# Allegro board ADRV9371-N_PCBZ_Layout_RevB.brd
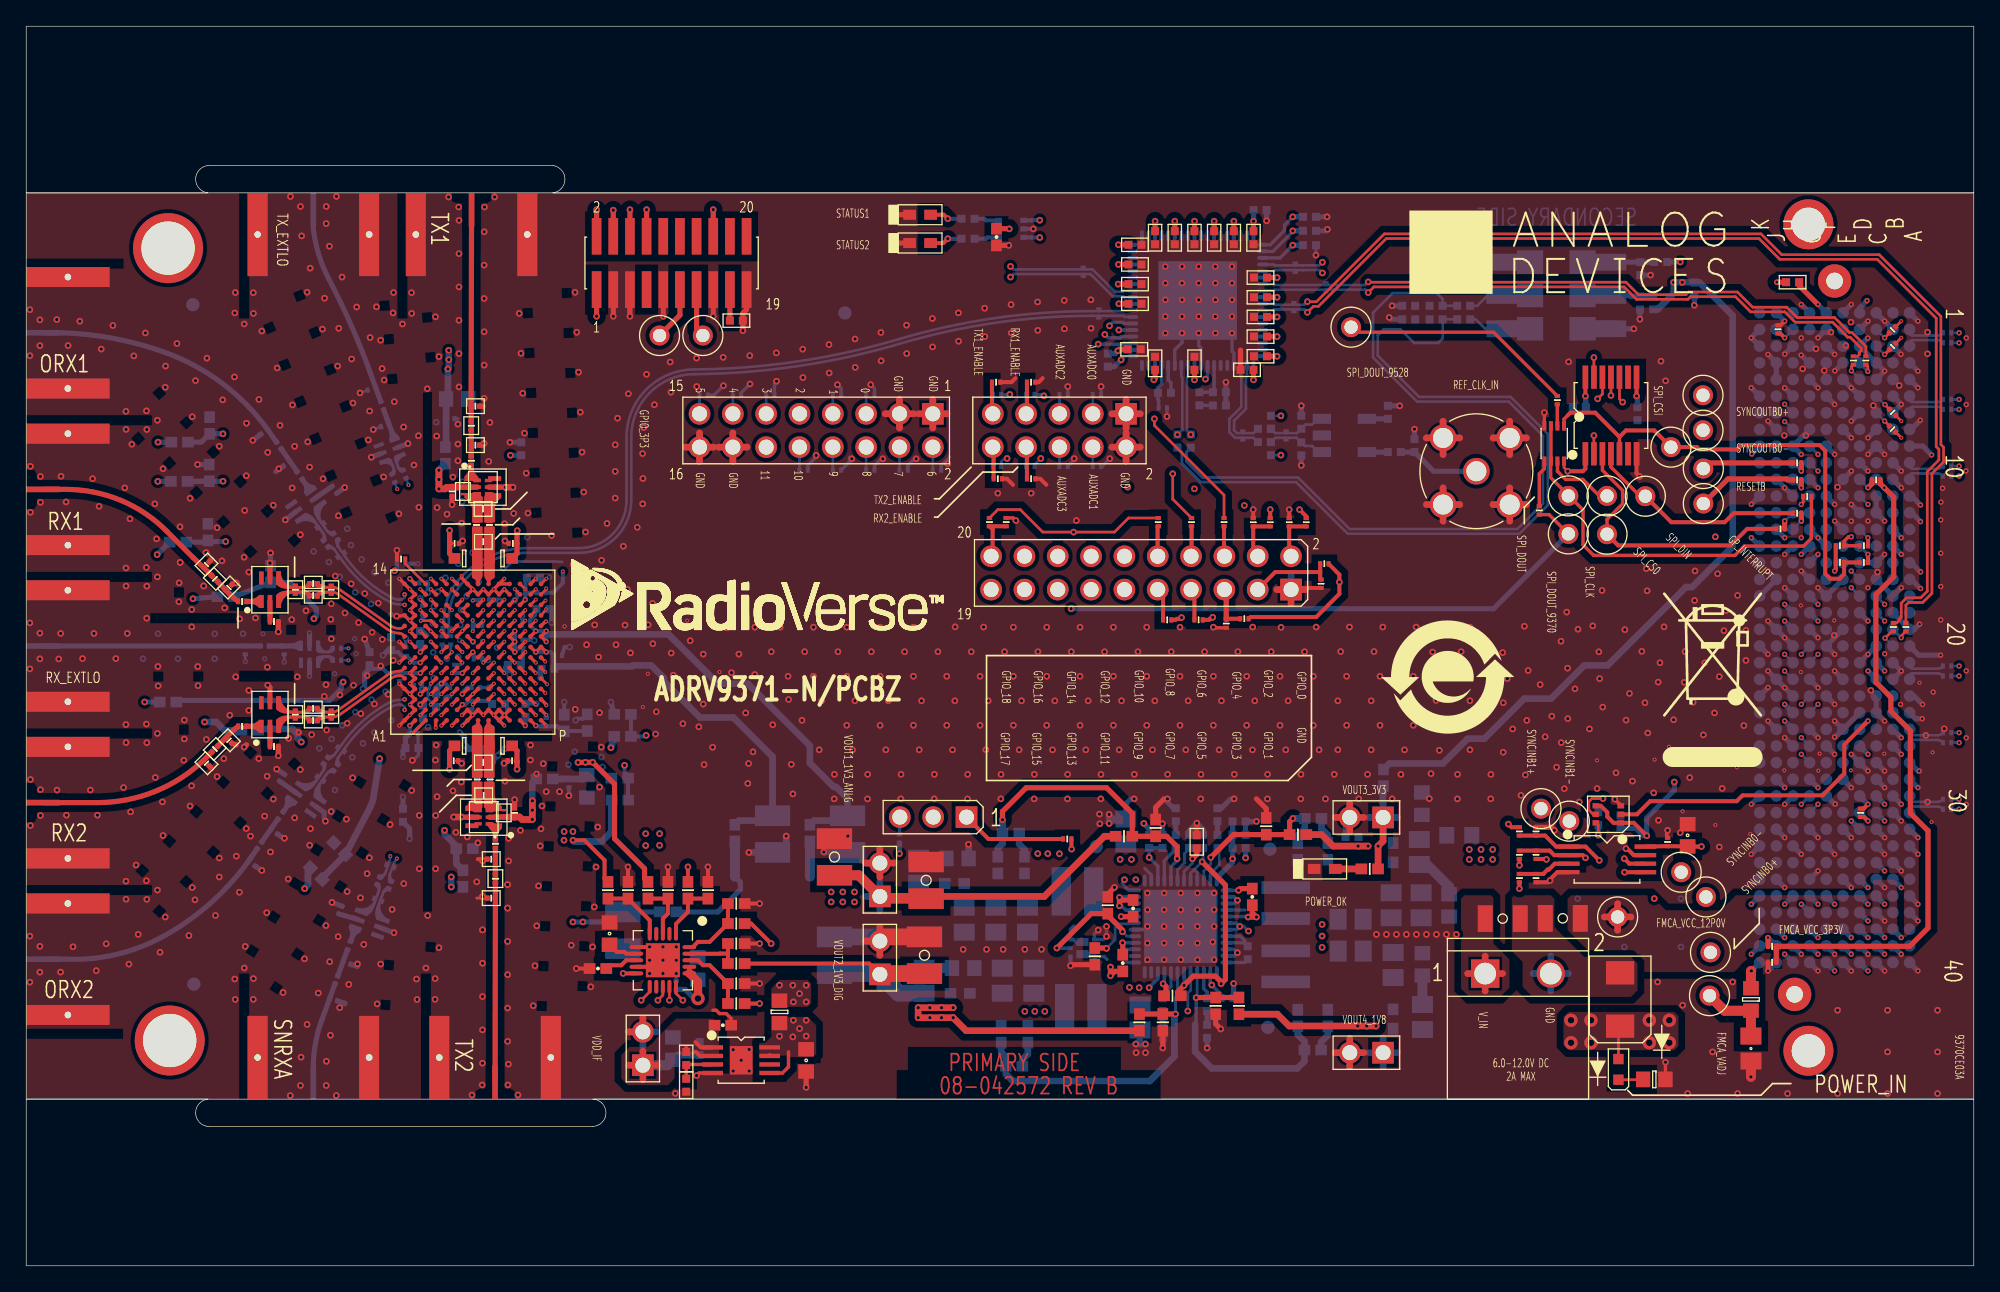
[diagram p0: board, top side]
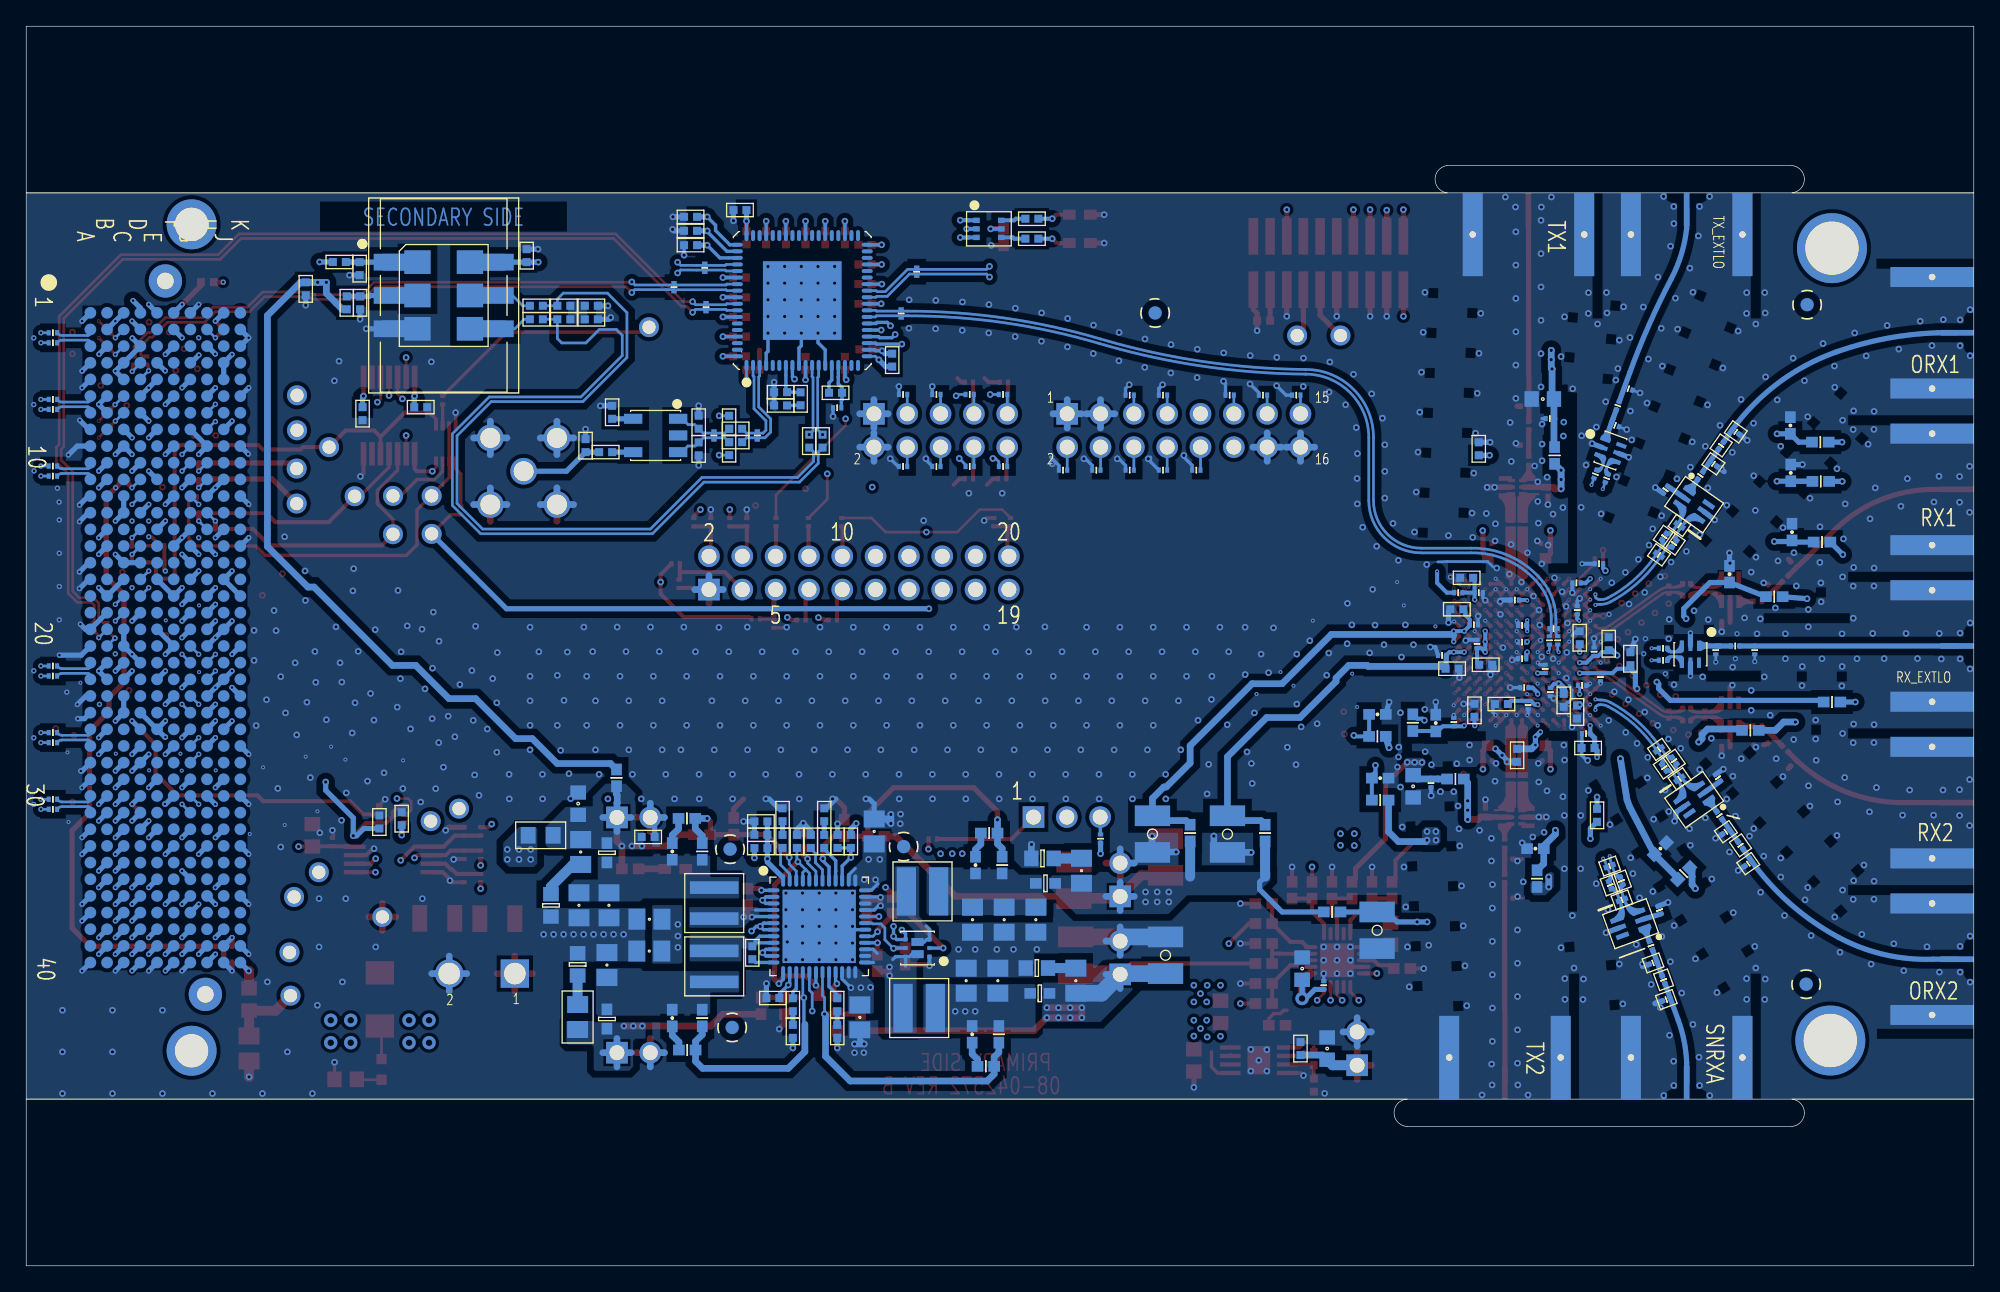
[diagram p1: board, bottom side, seen from below]

Outline 148.44 x 94.49 mm; copper layers: TOP, L2_GND, L3_PWR, L4_GND, L5_SIG, L6_GND, L7_SIG, L8_SIG, L9_GND, L10_SIG, L11_GND, L12_PWR, L13_GND, BOTTOM. Coordinates in mm from the lower left corner of the outline.
Outline path: 0,81.79 0,94.49 148.44,94.49 148.44,81.79 ; 0,81.79 0,12.7 ; 0,81.79 13.85,81.79 arc(12.91,82.83) 13.85,83.87 40.14,83.87 arc(41.06,82.83) 40.14,81.79 148.44,81.79 ; 0,81.79 148.44,81.79 ; 0,12.7 0,0 148.44,0 148.44,12.7 ; 0,12.7 148.44,12.7 ; 0,12.7 13.85,12.7 arc(12.91,11.66) 13.85,10.62 43.19,10.62 arc(44.19,11.66) 43.19,12.7 148.44,12.7 ; 148.44,12.7 148.44,81.79

## Design rules (mm)
net group DIFFPAIR0: nets SERDOUT0+ SERDOUT0-
net group DIFFPAIR1: nets SERDOUT1+ SERDOUT1-
net group DIFFPAIR2: nets SERDOUT3+ SERDOUT3-
net group DIFFPAIR3: nets SERDIN3+ SERDIN3-
net group DIFFPAIR4: nets SERDIN0+ SERDIN0-
net group DIFFPAIR5: nets SERDIN2+ SERDIN2-
net group DIFFPAIR13: nets SERDOUT2+ SERDOUT2-
net group DIFFPAIR15: nets SERDIN1+ SERDIN1-
net group DIFFPAIR16: nets TX_EXTLO+ TX_EXTLO-
net group DIFFPAIR17: nets ORX1+ ORX1-
net group DIFFPAIR18: nets RX1+ RX1-
net group DIFFPAIR19: nets RX2+ RX2-
net group DIFFPAIR20: nets ORX2+ ORX2-
net group DIFFPAIR22: nets RX_EXTLO+ RX_EXTLO-
net group DIFFPAIR24: nets DEV_CLK_IN+ DEV_CLK_IN-
net group DIFFPAIR26: nets GPIO_16 GPIO_17
net group DIFFPAIR27: nets GPIO_13 GPIO_14
net group DIFFPAIR28: nets GPIO_11 GPIO_12
net group DIFFPAIR29: nets GPIO_9 GPIO_10
net group DIFFPAIR30: nets GPIO_8 GPIO_15
net group DIFFPAIR36: nets SYNCOUTB0+ SYNCOUTB0-
net group DIFFPAIR37: nets SYNCINB0+ SYNCINB0-
net group DIFFPAIR38: nets SYNCINB1+ SYNCINB1-
net group DIFFPAIR56: nets SYSREF_IN+ SYSREF_IN-
net group DIFFPAIR59: nets CLK+ CLK-
net group DIFFPAIR61: nets UNNAMED_9_CAP_I337_N1 UNNAMED_9_CAP_I338_N1
net group DIFFPAIR62: nets SNRXA+ SNRXA-
net group DIFFPAIR63: nets FPGA_SYSREF+ FPGA_SYSREF-
net group DIFFPAIR64: nets UNNAMED_6_AD9370V2_I832_SERDI_3 UNNAMED_6_AD9370V2_I832_SERDIN2
net group DIFFPAIR65: nets UNNAMED_6_AD9370V2_I832_SERDI_1 UNNAMED_6_AD9370V2_I832_SERDIN0
net group DIFFPAIR66: nets UNNAMED_6_AD9370V2_I832_SERDI_4 UNNAMED_6_AD9370V2_I832_SERDIN3
net group DIFFPAIR67: nets UNNAMED_6_AD9370V2_I832_SERDI_2 UNNAMED_6_AD9370V2_I832_SERDIN1
net group DIFFPAIR68: nets UNNAMED_6_AD9370V2_I832_SERDO_1 UNNAMED_6_AD9370V2_I832_SERDOUT
net group DIFFPAIR69: nets UNNAMED_6_AD9370V2_I832_SERDO_4 UNNAMED_6_AD9370V2_I832_SERDO_5
net group DIFFPAIR70: nets UNNAMED_6_AD9370V2_I832_SERDO_2 UNNAMED_6_AD9370V2_I832_SERDO_3
net group DIFFPAIR71: nets UNNAMED_6_AD9370V2_I832_SERDO_6 UNNAMED_6_AD9370V2_I832_SERDO_7
net group DIFFPAIR72: nets VCXO_IN+ VCXO_IN-
net group DIFFPAIR73: nets UNNAMED_5_CAP_I916_N1 UNNAMED_5_RES_I897_N2
net group DIFFPAIR74: nets FPGA_REF_CLK+ FPGA_REF_CLK-
net group DIFFPAIR75: nets DIR_CLK+ DIR_CLK-
net group DIFFPAIR76: nets FPGA_AUX_CLK+ FPGA_AUX_CLK-
nets with their own width: min track width 0.254; nets AGND

## Placement (name value [footprint] x y rotation side)
C200  TBD0201  [C0201]  13.74 53.45 45 top
C201  18pF  [C0201]  14.37 52.37 315 top
C202  TBD0201  [C0201]  15.45 51.7 45 top
C203  TBD0201  [C0201]  18.89 49.1 0 top
C204  TBD0201  [C0201]  20.51 51.54 90 top
C205  18pF  [C0201]  21.88 51.08 0 top
C206  18pF  [C0201]  21.88 51.99 0 top
C207  TBD0201  [C0201]  23.25 51.54 90 top
C208  TBD0201  [C0201]  13.74 38.31 315 top
C209  18pF  [C0201]  14.37 39.39 45 top
C211  TBD0201  [C0201]  15.45 40.06 315 top
C212  TBD0201  [C0201]  18.89 39.58 0 top
C213  TBD0201  [C0201]  20.51 42.02 90 top
C214  18pF  [C0201]  21.88 41.56 0 top
C215  18pF  [C0201]  21.88 42.48 0 top
C216  TBD0201  [C0201]  23.25 42.02 90 top
C217  TBD0201  [C0201]  23.43 20.29 340 bottom
C218  18pF  [C0201]  23.64 21.8 70 bottom
C219  TBD0201  [C0201]  24.45 23.08 340 bottom
C220  TBD0201  [C0201]  23.95 27.12 70 bottom
C221  TBD0201  [C0201]  26.82 27.89 160 bottom
C222  18pF  [C0201]  27.71 29.02 70 bottom
C223  18pF  [C0201]  26.85 29.34 70 bottom
C224  TBD0201  [C0201]  27.75 30.47 160 bottom
C225  TBD0201  [C0201]  18.14 63.57 215 bottom
C226  18pF  [C0201]  19.25 62.53 305 bottom
C227  TBD0201  [C0201]  19.84 61.13 215 bottom
C228  TBD0201  [C0201]  23.49 59.16 305 bottom
C229  TBD0201  [C0201]  22.42 56.44 215 bottom
C230  18pF  [C0201]  23.58 55.57 305 bottom
C231  18pF  [C0201]  22.83 55.05 305 bottom
C232  TBD0201  [C0201]  23.99 54.19 215 bottom
C233  TBD0201  [C0201]  17.19 30.65 325 bottom
C234  18pF  [C0201]  17.78 32.05 55 bottom
C235  TBD0201  [C0201]  18.89 33.09 325 bottom
C236  18pF  [C0201]  19.5 37.19 235 bottom
C237  TBD0201  [C0201]  22.42 37.12 325 bottom
C238  18pF  [C0201]  22.83 38.5 55 bottom
C239  18pF  [C0201]  23.58 37.98 55 bottom
C240  TBD0201  [C0201]  23.99 39.36 325 bottom
C241  18pF  [C0201]  16.47 41.12 0 top
C242  18pF  [C0201]  24.6 24.41 70 bottom
C243  18pF  [C0201]  20.84 60.24 305 bottom
C244  18pF  [C0201]  19.38 34.33 55 bottom
C245  18pF  [C0201]  16.47 50.64 0 top
C301  18pF  [C0201]  33.92 64.04 90 top
C302  18pF  [C0201]  35.76 29.51 270 top
C303  TBD0201  [C0201]  34.81 57.69 0 top
C304  TBD0201  [C0201]  34.86 35.86 180 top
C305  18pF  [C0201]  33.92 61.37 90 top
C306  18pF  [C0201]  35.76 32.18 270 top
C307  TBD0201  [C0201]  32.65 55.06 0 top
C308  TBD0201  [C0201]  37.09 55.06 180 top
C309  TBD0201  [C0201]  34.32 56.48 90 top
C310  TBD0201  [C0201]  35.3 56.48 90 top
C311  TBD0201  [C0201]  34.84 55.19 0 top
C315  TBD0201  [C0201]  37.03 38.49 180 top
C316  TBD0201  [C0201]  32.58 38.49 0 top
C317  TBD0201  [C0201]  35.35 37.07 270 top
C318  TBD0201  [C0201]  34.37 37.07 270 top
C319  TBD0201  [C0201]  34.84 38.36 180 top
C320  10UF  [C0603]  32.85 66.07 0 bottom
C321  0.1uF  [C0201]  32.32 64.58 0 bottom
C322  0.1uF  [C0201]  32.46 59.02 270 top
C323  TBD0201  [C0201]  34.23 62.56 0 top
C324  TBD0201  [C0201]  34.23 65.53 0 top
C325  10UF  [C0603]  42.73 36.55 270 bottom
C326  0.1uF  [C0201]  41.37 36.79 270 bottom
C327  0.1uF  [C0201]  37.22 34.53 90 top
C328  TBD0201  [C0201]  35.44 31 180 top
C329  TBD0201  [C0201]  35.44 28.03 180 top
C330  TBD0201  [C0201]  16.69 46.93 270 bottom
C331  TBD0201  [C0201]  19.67 46.93 270 bottom
C332  100pF  [C0201]  23.68 47.07 0 bottom
C333  100pF  [C0201]  23.68 46.15 0 bottom
C334  TBD0201  [C0201]  26.33 66.86 200 bottom
C335  TBD0201  [C0201]  27.34 64.07 200 bottom
C336  100pF  [C0201]  28.84 60.34 290 bottom
C337  100pF  [C0201]  27.98 60.03 290 bottom
C401  0.1UF  [C0402]  104.28 62.02 180 bottom
C402  0.1UF  [C0402]  94.37 63.8 180 bottom
C403  0.1UF  [C0402]  94.37 62.79 180 bottom
C404  0.33uF  [C0402]  123.02 76.01 270 bottom
C405  0.1UF  [C0402]  110.3 77 270 bottom
C406  0.1UF  [C0402]  105.37 73.18 0 bottom
C407  0.1UF  [C0402]  94.87 62.29 270 bottom
C408  0.1UF  [C0402]  88.76 62.86 90 bottom
C409  0.1UF  [C0402]  94.87 64.3 90 bottom
C410  180pF  [C0402]  90.94 66.59 180 bottom
C411  1uF  [C0402]  90.94 65.58 180 bottom
C412  1000pF  [C0402]  86.76 66.55 0 bottom
C413  0.47uF  [C0201]  86.63 65.4 0 bottom
C414  0.1UF  [C0402#2]  73.95 78.42 90 top
C415  0.1UF  [C0402]  121.52 33.83 270 bottom
C416  0.1UF  [C0402]  119.82 34.08 270 bottom
C417  0.1UF  [C0402]  122.81 64.96 90 bottom
C418  0.1UF  [C0402]  118.37 65.45 0 bottom
C419  0.1UF  [C0402#2]  53.1 18.33 180 top
C420  1uF  [C0402]  94.04 80.48 0 bottom
C421  0.1UF  [C0402]  84.51 77.83 180 top
C422  0.1UF  [C0402]  84.51 76.33 180 top
C423  0.1UF  [C0402]  84.51 74.83 180 top
C424  0.1UF  [C0402]  84.51 73.33 180 top
C425  0.1UF  [C0402]  84.45 69.86 180 top
C426  0.1UF  [C0402]  86.04 68.79 270 top
C427  0.1UF  [C0402]  89.04 68.79 270 top
C428  0.1UF  [C0402]  93.04 68.3 0 top
C429  0.1UF  [C0402]  94.08 69.33 0 top
C430  0.1UF  [C0402]  94.08 70.83 0 top
C431  0.1UF  [C0402]  94.08 72.33 0 top
C432  0.1UF  [C0402]  94.08 73.83 0 top
C433  0.1UF  [C0402]  94.08 75.33 0 top
C434  0.1UF  [C0402]  93.54 78.36 90 top
C435  0.1UF  [C0402]  92.04 78.36 90 top
C436  0.1UF  [C0402]  90.54 78.36 90 top
C437  0.1UF  [C0402]  89.04 78.36 90 top
C438  0.1UF  [C0402]  87.54 78.36 90 top
C439  0.1UF  [C0402]  86.04 78.36 90 top
C501  0.1uF  [C0201]  31.71 47.67 270 bottom
C502  0.1uF  [C0201]  32.34 47.67 270 bottom
C503  0.1uF  [C0201]  79.07 60.93 0 bottom
C504  0.1uF  [C0201]  79.07 66.42 0 bottom
C505  0.1uF  [C0201]  81.61 60.93 0 bottom
C506  0.1uF  [C0201]  81.61 66.42 0 bottom
C507  0.1uF  [C0201]  146.41 39.88 0 bottom
C508  0.1uF  [C0201]  146.41 40.64 0 bottom
C509  0.1uF  [C0201]  142.25 70.07 45 top
C510  0.1uF  [C0201]  142.25 71.34 45 top
C511  0.1uF  [C0201]  146.41 34.8 0 bottom
C512  0.1uF  [C0201]  146.41 35.56 0 bottom
C513  0.1uF  [C0201]  146.41 44.96 0 bottom
C514  0.1uF  [C0201]  146.41 45.72 0 bottom
C515  0.1uF  [C0201]  146.41 70.36 0 bottom
C516  0.1uF  [C0201]  146.41 71.12 0 bottom
C517  0.1uF  [C0201]  146.41 65.28 0 bottom
C518  0.1uF  [C0201]  146.41 66.04 0 bottom
C519  0.1uF  [C0201]  142.25 63.78 315 top
C520  0.1uF  [C0201]  142.25 65.05 315 top
C521  0.1uF  [C0201]  146.41 60.2 0 bottom
C522  0.1uF  [C0201]  146.41 60.96 0 bottom
C523  0.1uF  [C0201]  64.33 66.37 0 bottom
C524  0.1uF  [C0201]  61.79 66.37 0 bottom
C525  0.1uF  [C0201]  56.71 66.37 0 bottom
C526  0.1uF  [C0201]  54.17 66.37 0 bottom
C527  0.1uF  [C0201]  51.63 66.37 0 bottom
C528  0.1uF  [C0201]  69.41 60.65 0 bottom
C529  0.1uF  [C0201]  66.87 60.65 0 bottom
C530  0.1uF  [C0201]  64.33 60.65 0 bottom
C531  0.1uF  [C0201]  61.79 60.65 0 bottom
C532  0.1uF  [C0201]  59.25 60.65 0 bottom
C601  100UF  [C1210]  68.59 29.38 90 top
C602  100UF  [C1210]  61.6 31.16 90 top
C603  1uF  [C0402]  29.4 39.47 0 bottom
C604  1uF  [C0402]  31.25 43.1 270 bottom
C605  0.1uF  [C0201]  29.55 40.56 0 bottom
C606  0.1uF  [C0201]  32.27 43.73 270 bottom
C608  100UF  [C1210]  45.48 25.57 270 bottom
C609  1uF  [C0402]  36 42.82 0 bottom
C610  0.1uF  [C0201]  33.97 42.74 270 bottom
C611  100UF  [C1210]  56.88 32.91 270 bottom
C612  1uF  [C0402]  39.76 45.51 180 bottom
C613  0.1uF  [C0201]  40.52 46.53 0 bottom
C614  1uF  [C0402#2]  33.41 31.8 0 bottom
C615  0.1uF  [C0201]  34.26 44.07 0 bottom
C616  1uF  [C0402#2]  41 41.37 90 bottom
C617  0.1uF  [C0201]  39.63 41.44 90 bottom
C618  1uF  [C0402#2]  45.45 42.03 180 bottom
C619  0.1uF  [C0201]  32.66 45.5 90 bottom
C620  1uF  [C0402]  26.17 46.27 90 bottom
C621  0.1uF  [C0201]  28.46 44.88 270 bottom
C622  1uF  [C0402#2]  45.24 37.17 180 bottom
C623  0.1uF  [C0201]  34.43 47.54 0 bottom
C624  1uF  [C0402]  27.82 47.42 90 bottom
C625  0.1uF  [C0201]  28.94 46.81 90 bottom
C626  1uF  [C0402#2]  18.62 52.72 90 bottom
C627  0.1uF  [C0201]  34.43 46.27 0 bottom
C628  1uF  [C0402#2]  23.89 31.8 135 bottom
C629  0.1uF  [C0201]  29.85 44.24 180 bottom
C630  1uF  [C0402#2]  13.95 60.44 90 bottom
C631  0.1uF  [C0201]  34.43 48.81 0 bottom
C632  1uF  [C0402#2]  13.85 55.93 90 bottom
C633  0.1uF  [C0201]  28.56 53.51 0 bottom
C634  1uF  [C0402#2]  13.98 64.05 90 bottom
C635  0.1uF  [C0201]  34.98 50.75 0 bottom
C636  1uF  [C0402]  37.2 45.82 180 bottom
C637  0.1uF  [C0201]  37.86 47.4 90 bottom
C638  100UF  [C1210]  68.46 23.67 90 top
C639  100UF  [C1210]  61.6 23.67 90 bottom
C640  0.1uF  [C0201]  30.22 49.98 90 bottom
C641  0.1uF  [C0201]  30.28 52.05 0 bottom
C642  0.01UF  [C0201]  37.73 51.31 180 bottom
C643  1uF  [C0402]  38.65 52.44 0 bottom
C644  1uF  [C0402]  38.06 42.34 90 bottom
C645  1uF  [C0402]  30.03 47.88 90 bottom
C646  1uF  [C0402]  30.24 42.21 270 bottom
C647  1uF  [C0402]  37.73 62.28 90 bottom
C648  10UF  [C0603]  51.19 22.65 90 bottom
C649  0.1uF  [C0201]  49.54 21.38 90 bottom
C650  10UF  [C0603]  44.46 25.32 90 top
C651  1uF  [C0402#2]  43.58 22.66 180 top
C652  100UF  [C1210]  62.6 32.91 270 bottom
C653  1uF  [C0402]  39.4 50.05 0 bottom
C654  0.1uF  [C0201]  38.1 48.86 180 bottom
C701  10uF  [C0805H60]  83.81 33.11 90 bottom
C702  1uF  [C0402]  89.7 32.35 270 bottom
C703  1uF  [C0402]  89.22 32.32 270 top
C704  2700PF  [C0402]  87.62 34.38 270 bottom
C705  10uF  [C0805H60]  84.9 18.94 270 bottom
C706  2700PF  [C0402]  86.63 17.87 90 bottom
C707  10uF  [C0805H60]  100.94 26.42 0 bottom
C708  3300pF  [C0402]  90.79 34.38 270 bottom
C709  10uF  [C0805H60]  100.95 23.99 0 bottom
C710  3300pF  [C0402]  90 17.87 90 bottom
C711  TBD0402  [C0402]  91.53 20.41 180 bottom
C712  TBD0402  [C0402]  92.44 33.87 180 bottom
C713  0.1UF  [C0402#2]  84.37 27.24 90 top
C714  0.01UF  [C0402#2]  76.09 30.54 270 bottom
C715  0.1UF  [C0402#2]  83.58 23.08 90 top
C716  0.01UF  [C0402#2]  76.34 17.64 90 bottom
C717  0.1UF  [C0402#2]  93.45 28.12 270 top
C718  0.01UF  [C0402#2]  99.2 31.58 270 bottom
C719  0.1UF  [C0402]  93.1 23.86 90 bottom
C720  0.01UF  [C0402#2]  99.2 18.88 90 bottom
C721  47uF  [C0805H60]  76.31 26.38 270 bottom
C722  47uF  [C0805H60]  73.9 26.38 270 bottom
C723  47uF  [C0805H60]  71.49 26.38 270 bottom
C724  47uF  [C0805H60]  68.01 30.11 90 bottom
C725  47uF  [C0805H60]  76.8 21.73 90 bottom
C726  47uF  [C0805H60]  74.38 21.73 90 bottom
C727  47uF  [C0805H60]  68.44 21.73 90 bottom
C728  47uF  [C0805H60]  104.02 27.48 270 bottom
C729  47uF  [C0805H60]  106.18 31.54 270 bottom
C730  47uF  [C0805H60]  104.18 22.92 90 bottom
C731  22UF  [C0805H53]  106.41 18.96 90 bottom
C732  47uF  [C0805H60]  131.45 16.56 270 top
C733  4.7uF  [C0603]  59.45 15.66 90 top
C734  4.7uF  [C0603]  49.29 16.56 270 bottom
C735  0.01UF  [C0402]  51.32 16.56 270 bottom
C736  10UF  [C0603]  106.37 35.23 90 bottom
C737  0.01UF  [C0402]  101.04 32.69 0 bottom
C738  0.1UF  [C0402]  127.14 74.47 90 bottom
C739  47uF  [C0805H60]  106.31 27.48 270 bottom
C801  0.01UF  [C0201]  143.27 48.69 90 top
C802  0.01UF  [C0201]  142.31 48.69 90 top
C803  0.1uF  [C0201]  125.1 32.3 270 top
C804  10UF  [C0603]  126.63 32.81 90 top
C805  0.01UF  [C0201]  140.22 69.01 270 top
C806  0.01UF  [C0201]  139.26 69.01 270 top
CR701  S2A-TP  [DO214AA3]  121.48 20.3 90 top
D401  LNJ314G8TRA (green)  [LED0603]  68.13 77.96 0 top
D402  LNJ314G8TRA (green)  [LED0603]  68.13 80.12 0 top
DS701  LNJ912W8CRA1 (blue)  [LED0603-2]  121.36 14.97 90 top
DS702  LNJ314G8TRA (green)  [LED0603]  98.97 30.25 0 top
E601  30OHM  [L0402]  54.01 32.98 90 bottom
E602  30OHM  [L0402]  33.28 29.51 90 bottom
E603  30OHM  [L0402]  42.76 41.4 270 bottom
E604  47OHM AT 100MHZ  [L0402]  45.45 40.35 0 bottom
E605  30OHM  [L0402]  17.03 40.81 0 bottom
E606  47OHM AT 100MHZ  [L0402]  45.24 35.5 0 bottom
E607  30OHM  [L0402]  10.8 42.97 0 bottom
E608  47OHM AT 100MHZ  [L0402]  15.21 51 0 bottom
E609  30OHM  [L0402]  22.11 29.89 315 bottom
E610  30OHM  [L0402]  11.66 59.79 0 bottom
E611  47OHM AT 100MHZ  [L0402]  11.57 55.16 0 bottom
E612  30OHM  [L0402]  11.69 62.78 0 bottom
E613  30OHM  [L0402]  59.73 32.98 90 bottom
E701  120OHM  [L0603#3]  70.75 29.15 180 bottom
E702  470OHM  [L0603#3]  71.18 20.76 180 bottom
E703  470OHM  [L0603#3]  104.18 31.48 90 bottom
E704  470OHM  [L0603#3]  104.18 18.81 270 bottom
E705  39OHM  [L0805]  109.23 32.81 0 bottom
E706  30OHM  [L0402]  103.45 37.19 90 bottom
F701  2A  [F1206]  117.11 26.48 180 top
F702  2A  [F1206]  112.53 26.46 0 top
J200  132255-11  [CNAMPHENOL132255-11]  0.76 59.18 180 top
J201  132255-11  [CNAMPHENOL132255-11]  0.76 35.31 180 top
J202  132255-11  [CNAMPHENOL132255-11]  21.88 13.46 270 bottom
J203  132255-11  [CNAMPHENOL132255-11]  0.76 71.12 180 bottom
J204  132255-11  [CNAMPHENOL132255-11]  0.76 23.37 180 bottom
J305  132255-11  [CNAMPHENOL132255-11]  33.94 81.03 90 top
J306  132255-11  [CNAMPHENOL132255-11]  35.73 13.46 270 top
J307  132255-11  [CNAMPHENOL132255-11]  0.76 47.24 180 bottom
J308  132255-11  [CNAMPHENOL132255-11]  21.88 81.03 90 bottom
J401  142-0701-201  [CNJOHNSON142-0701-201]  110.53 60.57 0 top
L200  TBD0201  [L0201]  13.74 53.45 225 top
L201  TBD0201  [L0201]  14.37 52.37 135 top
L202  TBD0201  [L0201]  15.45 51.7 225 top
L204  TBD0201  [L0201]  20.51 51.54 90 top
L205  TBD0201  [L0201]  21.88 51.08 180 top
L206  TBD0201  [L0201]  21.88 51.99 180 top
L207  TBD0201  [L0201]  23.25 51.54 90 top
L208  TBD0201  [L0201]  13.74 38.31 135 top
L209  TBD0201  [L0201]  14.37 39.39 225 top
L211  TBD0201  [L0201]  15.45 40.06 135 top
L213  TBD0201  [L0201]  20.51 42.02 90 top
L214  TBD0201  [L0201]  21.88 41.56 180 top
L215  TBD0201  [L0201]  21.88 42.48 180 top
L216  TBD0201  [L0201]  23.25 42.02 90 top
L217  TBD0201  [L0201]  23.43 20.29 160 bottom
L218  TBD0201  [L0201]  23.64 21.8 250 bottom
L219  TBD0201  [L0201]  24.45 23.08 160 bottom
L221  TBD0201  [L0201]  26.82 27.89 160 bottom
L222  TBD0201  [L0201]  27.71 29.02 250 bottom
L223  TBD0201  [L0201]  26.85 29.34 250 bottom
L224  TBD0201  [L0201]  27.75 30.47 160 bottom
L225  TBD0201  [L0201]  18.14 63.57 35 bottom
L226  TBD0201  [L0201]  19.25 62.53 125 bottom
L227  TBD0201  [L0201]  19.84 61.13 35 bottom
L229  TBD0201  [L0201]  22.42 56.44 35 bottom
L230  TBD0201  [L0201]  23.58 55.57 125 bottom
L231  TBD0201  [L0201]  22.83 55.05 125 bottom
L232  TBD0201  [L0201]  23.99 54.19 35 bottom
L233  TBD0201  [L0201]  17.19 30.65 145 bottom
L234  TBD0201  [L0201]  17.78 32.05 235 bottom
L235  TBD0201  [L0201]  18.89 33.09 145 bottom
L237  TBD0201  [L0201]  22.42 37.12 145 bottom
L238  TBD0201  [L0201]  22.83 38.5 235 bottom
L239  TBD0201  [L0201]  23.58 37.98 235 bottom
L240  TBD0201  [L0201]  23.99 39.36 145 bottom
L301  TBD0201  [L0201]  33.92 64.04 270 top
L302  TBD0201  [L0201]  35.76 29.51 90 top
L303  TBD0201  [L0201]  34.81 57.69 180 top
L304  TBD0201  [L0201]  34.86 35.86 0 top
L305  TBD0201  [L0201]  33.28 59.02 270 top
L306  TBD0201  [L0201]  36.39 34.53 90 top
L307  TBD0603  [L0603#2]  33.38 53.92 180 top
L308  TBD0603  [L0603]  36.3 53.92 180 top
L311  TBD0201  [L0201]  34.84 55.19 180 top
L315  TBD0603  [L0603#2]  36.3 39.63 0 top
L316  TBD0603  [L0603]  33.38 39.63 0 top
L319  TBD0201  [L0201]  34.84 38.36 0 top
L323  TBD0201  [L0201]  34.23 62.56 180 top
L324  TBD0201  [L0201]  34.23 65.53 180 top
L328  TBD0201  [L0201]  35.44 31 0 top
L329  TBD0201  [L0201]  35.44 28.03 0 top
L340  27NH  [L0402]  31.95 61.77 270 bottom
L341  27NH  [L0402]  39.51 37.11 180 bottom
L700  2.2uH  [LSMSQ157H83]  80.12 28.54 180 bottom
L701  2.2uH  [LSMSQ157H83]  80.38 19.65 180 bottom
L702  6.8uH  [LSMSQ157H122]  96 27.65 90 bottom
L703  6.8uH  [LSMSQ157H122]  96 22.82 270 bottom
NOREF  -  []  148.44 81.79 0 top
NOREF#2  -  []  -140.27 -270.64 0 top
NOREF#3  -  []  154.73 149.81 0 top
NOREF#4  -  []  277 2.84 0 top
NOREF#5  -  []  137.8 54.91 0 top
NOREF#6  -  [unnamed#2]  135.84 79.39 0 top
NOREF#7  -  []  0 81.79 0 top
NOREF#8  -  []  148.44 12.7 90 top
NOREF#9  -  [unnamed#2]  135.84 16.39 0 top
NOREF#10  -  []  100.91 127.05 0 top
NOREF#11  -  []  0 0 90 top
NOREF#12  -  [unnamed#3]  10.93 17.17 0 top
NOREF#13  -  []  -96.05 -6.87 0 top
NOREF#14  -  []  -140.27 -270.64 0 top
NOREF#15  -  []  148.44 12.7 0 top
NOREF#16  -  []  65.26 103.22 0 top
NOREF#17  -  []  -140.27 -270.64 0 top
NOREF#18  -  [unnamed#3]  10.81 77.57 0 top
NOREF#19  -  []  43.34 10.64 0 top
NOREF#20  -  []  0 0 90 top
NOREF#21  -  []  108.34 44.88 0 top
NOREF#22  -  []  250.38 231.5 0 top
NOREF#23  -  [unnamed#4]  94.79 31.76 0 bottom
NOREF#24  -  [unnamed#4]  62.4 72.63 90 bottom
NOREF#25  -  [unnamed#4]  12.78 21.46 0 bottom
NOREF#26  -  [unnamed#4]  12.7 73.26 0 bottom
NOREF#27  -  []  105.42 74.09 180 bottom
NOREF#28  -  [unnamed#4]  81.56 31.95 0 bottom
NOREF#29  -  [unnamed#4]  94.63 18.17 0 bottom
P501  TSW-105-08-G-D  [CNSAMTEC2X5H338LD36]  83.83 64.94 180 top
P502  PEC10DAAN  [CNBERGF2X10H335LD32]  96.4 51.55 180 top
P503  TSW-108-08-G-D-ST  [CNSAMTECTSW-108-08-G-D-ST]  69.1 64.94 180 top
P504  FTSH-110-01-L-DV-K  [CNHDR2X10H251]  49.19 76.44 0 top
P701  Z5.530.3225.0  [CNWIELAND3225]  111.2 22.27 0 top
P702  SAMTECTSW10608GS3PIN  [CNBERG1X3H205LD36]  71.67 34.2 180 top
P703  TSW-102-08-G-S  [CNSAMTEC1X2H330LD36]  65.06 28.16 90 top
P704  TSW-102-08-G-S  [CNSAMTEC1X2H330LD36]  65.06 22.21 90 top
P705  TSW-102-08-G-S  [CNSAMTEC1X2H330LD36]  103.42 34.18 180 top
P706  TSW-102-08-G-S  [CNSAMTEC1X2H330LD36]  103.42 16.24 180 top
P707  TSW-102-08-G-S  [CNSAMTEC1X2H330LD36]  47 15.29 90 top
P801  ASP-134488-01  [CNSAMTECASP-134488-01]  143.55 72.64 270 bottom
Q701  SIA906EDJ-T1-GE3  [POWERPAKSC70-6]  80.51 24.22 90 bottom
R201  0  [R0201]  14.37 52.37 315 top
R202  0  [R0201]  16.47 50.64 0 top
R203  0  [R0201]  18.89 49.1 0 top
R204  0  [R0201]  16.47 41.12 0 top
R205  0  [R0201]  21.88 51.08 0 top
R206  0  [R0201]  21.88 51.99 0 top
R207  0  [R0201]  24.6 24.41 70 bottom
R208  0  [R0201]  20.84 60.24 305 bottom
R209  0  [R0201]  14.37 39.39 45 top
R210  0  [R0201]  19.38 34.33 55 bottom
R212  0  [R0201]  18.89 39.58 0 top
R214  0  [R0201]  21.88 41.56 0 top
R215  0  [R0201]  21.88 42.48 0 top
R218  0  [R0201]  23.64 21.8 70 bottom
R220  0  [R0201]  23.95 27.12 70 bottom
R222  0  [R0201]  27.71 29.02 70 bottom
R223  0  [R0201]  26.85 29.34 70 bottom
R226  0  [R0201]  19.25 62.53 305 bottom
R228  0  [R0201]  23.49 59.16 305 bottom
R230  0  [R0201]  23.58 55.57 305 bottom
R231  0  [R0201]  22.83 55.05 305 bottom
R234  0  [R0201]  17.78 32.05 55 bottom
R236  0  [R0201]  19.5 37.19 55 bottom
R238  0  [R0201]  22.83 38.5 55 bottom
R239  0  [R0201]  23.58 37.98 55 bottom
R301  0  [R0201]  33.92 64.04 90 top
R302  0  [R0201]  35.76 29.51 270 top
R303  0  [R0201]  33.92 61.37 90 top
R304  0  [R0201]  35.76 32.18 270 top
R309  TBD0201  [R0201]  34.32 56.48 90 top
R310  TBD0201  [R0201]  35.3 56.48 90 top
R312  0  [R0201]  18.18 47.24 0 bottom
R313  0  [R0201]  27.13 65.57 290 bottom